# Altium PCB PROC054D_MMWCAS_RF_EVM_ASCII.PcbDoc (part 13 of 13)
Units mil, origin at the board's own origin, x right, y up, seen from the top; angles counter-clockwise.
Board outline 6299.21 x 5370.07 mil, 8 copper layers (L1 TOP, L2 GND, L3 SIGNAL 1, L4 GND, L5 SIGNAL 2, L6 SIGNAL 3, L7 GND, L8 BOTTOM), stack 53.5 mil thick; 775 components, 552 nets, 2648 pads, 7845 vias.
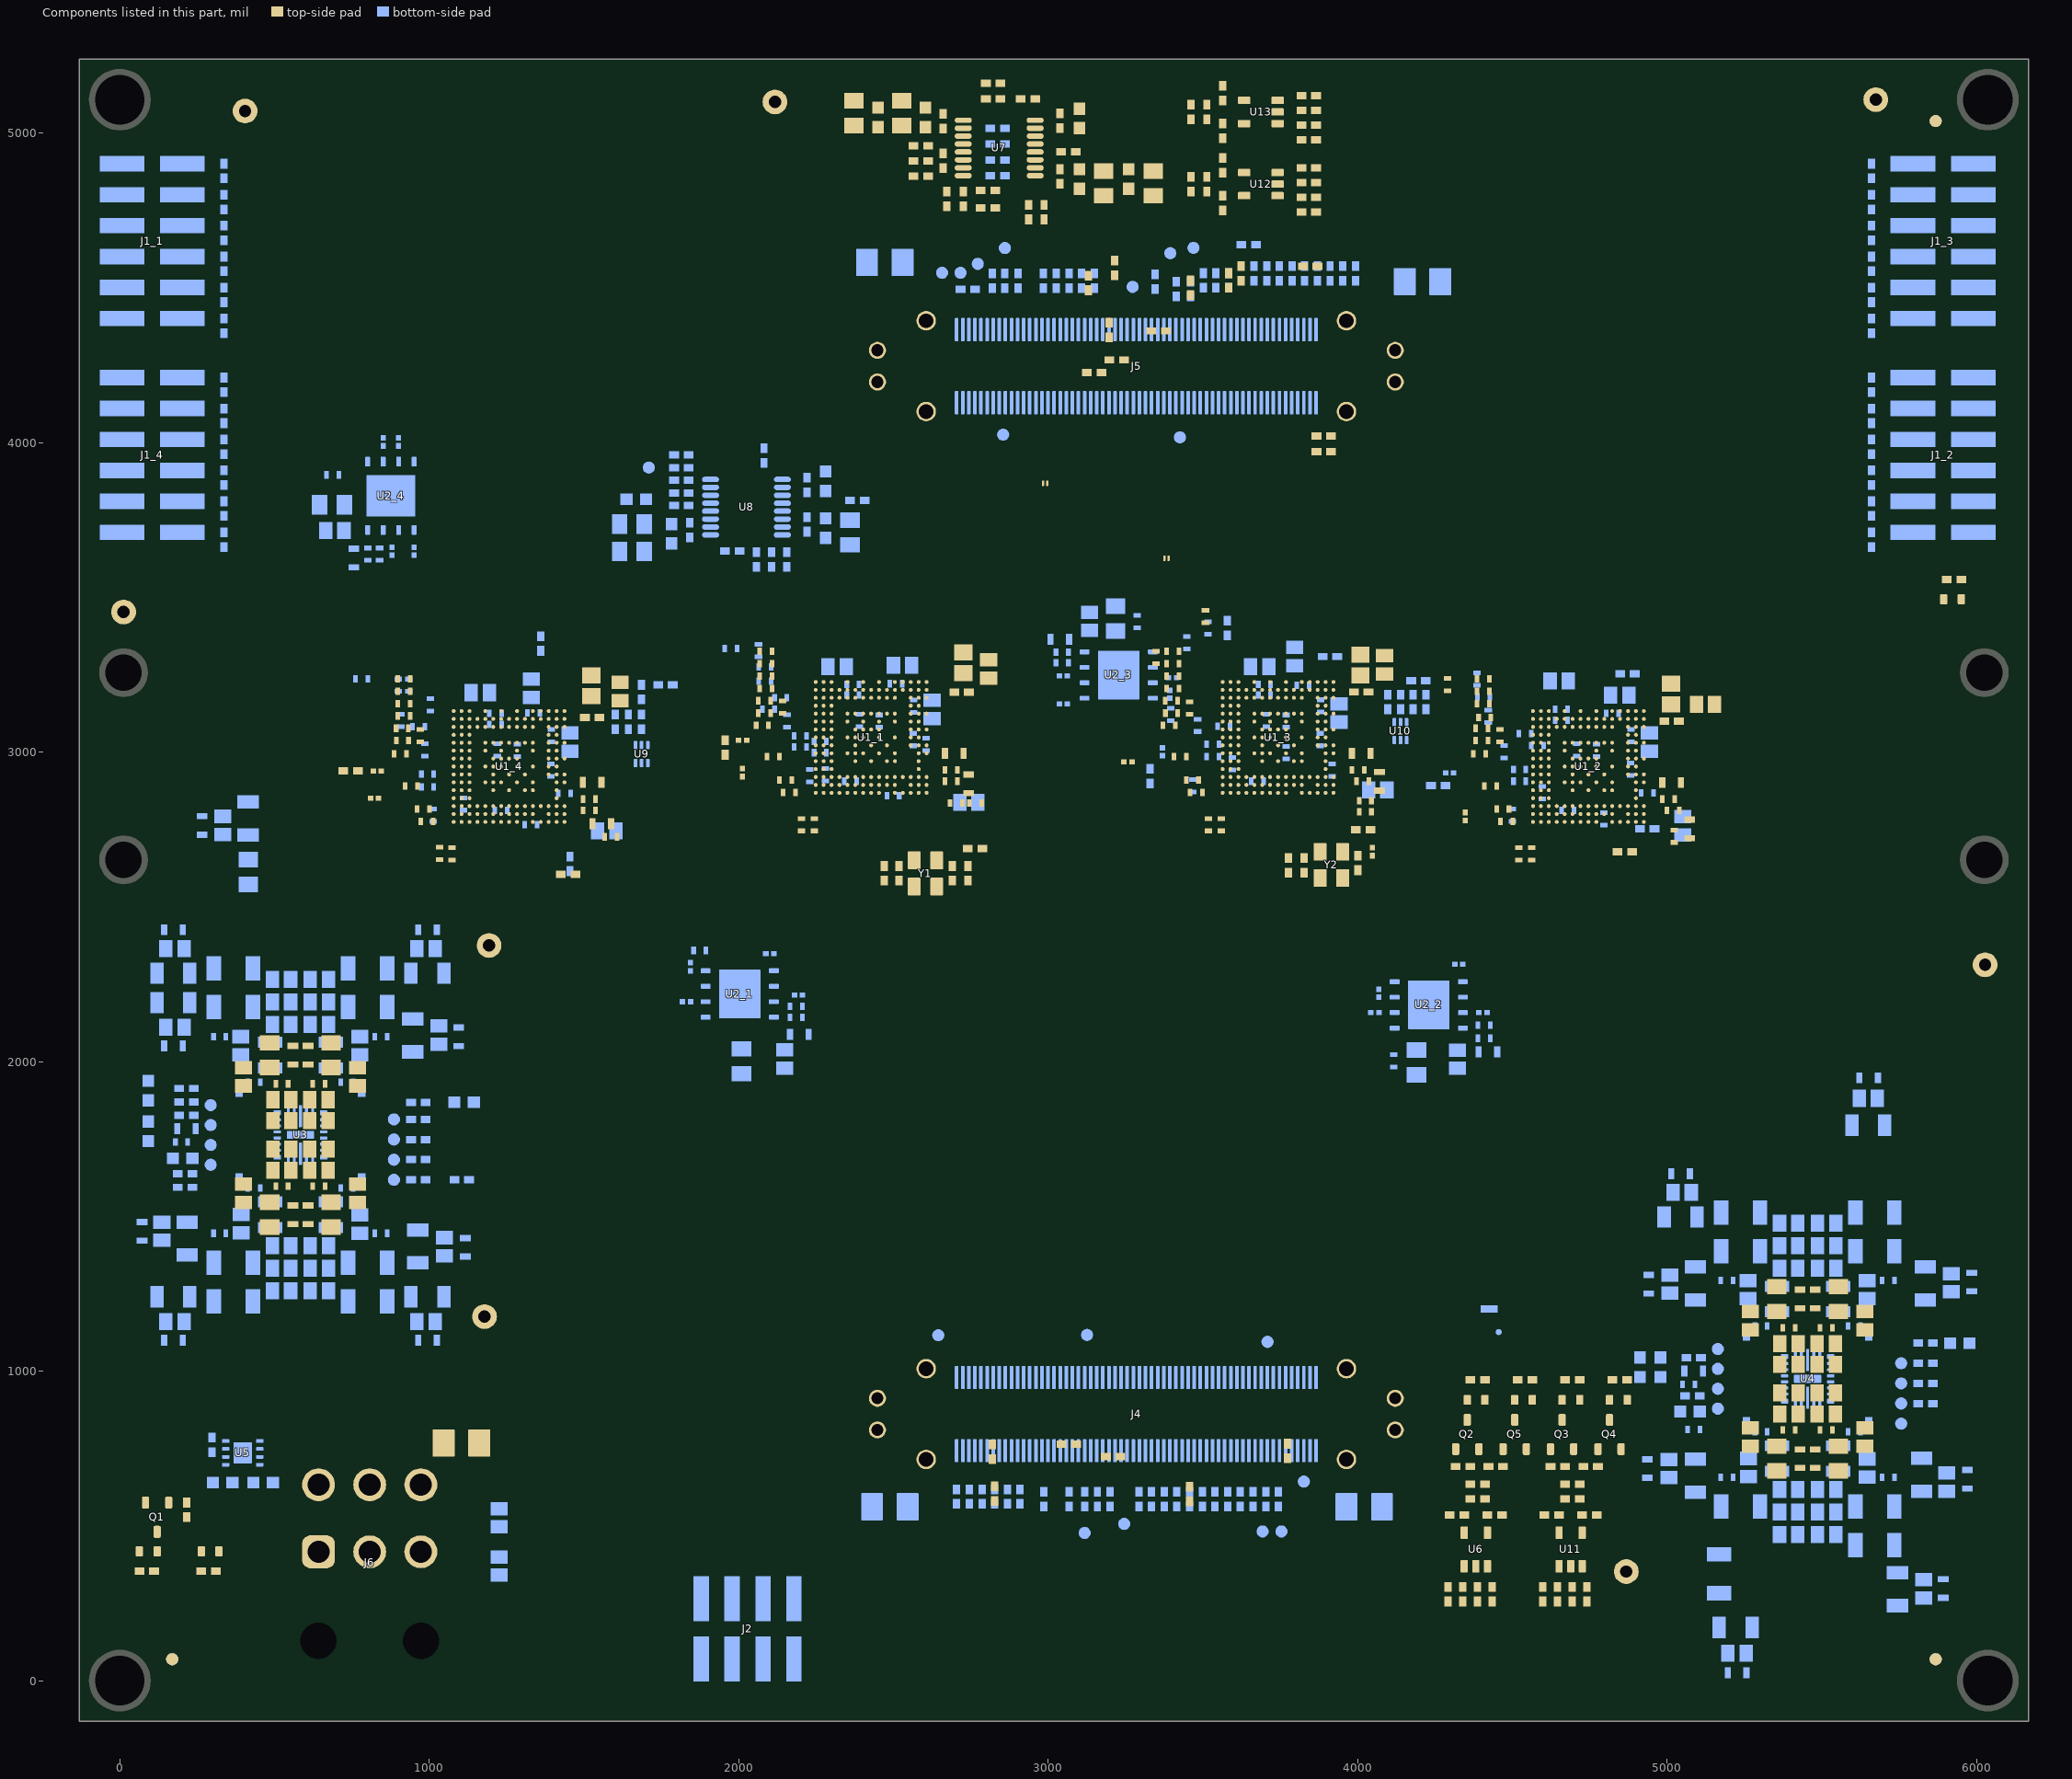
[diagram p19: the components of this part, seen from the top]

## Silkscreen, mask and mechanical layers (free items; w line width, h text height) (continued)
M10 Fab Notes:
  drawing of 216 lines, arcs and shapes, not listed
  text "NOTES: UNLESS OTHERWISE SPECIFIED." at 7740.21,11288.74 h100
  text "1. ALL VIAS ARE TENTED ON BOTH SIDES UNLESS SOLDERMASK OPENED IN GERBER." at 7734.62,10999.71 h100
  text "2. THE SOLDER MASK IMAGES THAT ARE THE SAME SIZE AS THE COMPONENT PADS MAY BE ENLARGED AS" at 7737.72,10701.92 h100
  text "PER THE MANUFACTURING CAPABILITIES BUT NOT BEYOND 0.08MM PER SIDE OR 0.15MM OVERALL." at 7933.15,10394.82 h100
  text "ALL OTHER SOLDER MASK IMAGES SHALL NOT BE MODIFIED." at 7939.35,10115.63 h100
  text "3. TRACE WIDTH SHOULD BE ACCURATELY ETCHED. MAX TOLERANCE +/- 1 MIL" at 7741.09,9826.69 h100
  text "FOR ETCHING ACCURACY NEAR THE ANTENNA REFER \"ANTENNA_ETCHING_REQUIREMENTS\" DOCUMENT" at 7956.31,9585.54 h100
  text "4. 5.9MIL VIA ONLY ON PAD SHOULD BE FILLED WITH CONDUCTIVE COPPER AND SURFACE SHOULD BE FLAT." at 7742.69,9332.2 h100
  text "FLATNESS TOLERANCE FOR VIA ON PADS: +0.000 /- 0.001 INCHES ON TOP SIDE." at 7937.26,9042.52 h100
  text "5. BACKDRILLING  INFO: 12 MIL DRILL AND 24 MIL PAD NEED TO BE REMOVED FROM THE BOTTOM TO LAYER 4" at 7742.15,8723.15 h100
  text "USE 24MIL DRILL BIT FOR BACKDRILLING ABOVE MENTIONED DRILLS. VENDOR MUST CUT L4 AND MUST NOT CUT L3." at 7938.64,8492.11 h100
  text "6. PRINTED WIRING BOARD SHALL COMPLY WITH REQUIREMENTS OF ANSI/J-STD-003." at 7728.63,8233.42 h100
  text "7. BOW AND TWIST SHALL NOT EXCEED 0.7% OF LONGEST SIDE" at 7726.51,7988.21 h100
  text "8. R136/R140 REQUIRE SPECIAL ASSEMBLY ATTENTION DUE TO THEIR NO SOLDER-MASK, RF CONSTRUCTION." at 7725.01,7727.29 h100
  text "9. FOR ANY ASSEMBLY OR FABRICATION QUESTIONS PLEASE CONTACT THE RESPONSIBLE TI PCB DESIGN TEAM." at 7725.01,7526.46 h100
  text "IMPEDANCE TABLE" at 10341.65,6835.82 h100
  text "TRACE WIDTH" at 9801.45,6563.02 h80
  text "TRACE SPACING" at 10767.83,6563.1 h80
  text "IMPEDANCE" at 12107.94,6482.51 h80
  text "LAYER" at 9267.28,6467.85 h80
  text "(mil)" at 10040.49,6408.69 h80
  text "(mil)" at 11101.67,6409.34 h80
  text "DESIGN INFORMATION" at 17057.02,6234.17 h60
  text "-" at 11206.64,6200.31 h80
  text "10.5" at 10075.03,6192.7 h80
  text "50 OHM +/-10%" at 11902.68,6192.18 h80
  text "1" at 9424.7,6191.41 h80
  text "MIN. TRACK WIDTH:" at 16412.46,6102.05 h60
  text "4" at 17508.7,6102.05 h60
  text "MIL" at 17663.46,6102.05 h60
  text "5.5" at 11145.7,6035.7 h80
  text "6.5" at 10117.7,6028.58 h80
  text "1" at 9424.7,6026.25 h80
  text "100 OHM +/-10%" at 11874.69,6025.56 h80
  text "4" at 17507.39,5986.31 h60
  text "MIN. CLEARANCE:" at 16412.46,5977.92 h60
  text "MIL" at 17663.46,5977.92 h60
  text "-" at 11207.12,5870 h80
  text "5.1" at 10128.22,5861.56 h80
  text "50 OHM +/-10%" at 11903.16,5861.87 h80
  text "3" at 9424.7,5861.2 h80
  text "13.77" at 17373.96,5859.24 h60
  text "MIN. VIA PAD SIZE:" at 16412.46,5853.8 h60
  text "MIL" at 17663.46,5853.8 h60
  text "0.05mm (2MIL)" at 17107.46,5723.9 h60
  text "MINIMUM ANNULAR RING" at 16083.23,5715.67 h60
  text "EXTERNAL" at 17815.46,5715.67 h60
  text "-" at 11207.36,5704.84 h80
  text "12" at 10157.06,5697.26 h80
  text "50 OHM +/-10%" at 11903.4,5696.72 h80
  text "5" at 9424.7,5695.94 h80
  text "PER" at 16283.23,5605.55 h60
  text "IPC-D-275 CLASS 2 LEVEL C" at 16503.23,5605.54 h60
  text "-" at 11207.6,5539.69 h80
  text "6.9" at 10115.34,5536.24 h80
  text "50 OHM +/-10%" at 11903.64,5531.56 h80
  text "6" at 9424.7,5530.79 h80
  text "MIL, HOLES" at 17991.46,5505.07 h60
  text "+/-" at 17599,5496.48 h60
  text "+/-" at 18453,5496.48 h60
  text "REGISTRATION TOLERANCES:" at 16083.23,5495.42 h60
  text "METAL" at 17283,5495.42 h60
  text "2" at 17859.2,5495.42 h60
  text "3" at 18692.2,5495.42 h60
  text "MIL" at 18808.46,5495.42 h60
  text "HOLE SIZE TOLERANCE (UNLESS OTHERWISE SPECIFIED):" at 16083.23,5397.1 h60
  text "+/-" at 18453,5394.23 h60
  text "3" at 18692.2,5393.17 h60
  text "MIL" at 18808.46,5393.17 h60
  text "5" at 10173.32,5372.82 h80
  text "7" at 11206.57,5372.82 h80
  text "6" at 9424.7,5365.63 h80
  text "100 OHM +/-10%" at 11875.65,5364.94 h80
  text "MATERIAL:" at 16008.46,5255.52 h60
  text "-" at 11208.08,5209.37 h80
  text "7.75" at 10076.47,5201.76 h80
  text "50 OHM +/-10%" at 11904.12,5201.25 h80
  text "8" at 9424.7,5200.47 h80
  text "FR-4 High Tg" at 16994.9,5127 h60
  text "REFER STACKUP" at 18248.68,5125 h60
  text "X" at 17740.09,5121.5 h60
  text "FR-408" at 16429.46,5114.49 h60
  text "OTHER" at 17917.46,5114.49 h60
  text "6.75" at 11104.41,5039.74 h80
  text "8" at 9424.7,5035.32 h80
  text "100 OHM +/-10%" at 11876.13,5034.63 h80
  text "5.25" at 10072.43,5027.88 h80
  text "55MIL +/-10%" at 18338.77,4972.52 h60
  text "62 MIL (1.6mm) +/-10%" at 16749.56,4971.46 h60
  text "X" at 17922.86,4964.87 h60
  text "THICKNESS:" at 16083.23,4963.24 h60
  text "OTHER" at 18034.46,4963.24 h60
  text "TOLERANCE:" at 16083.23,4824.92 h60
  text "X" at 16931.46,4824.92 h60
  text "ANSI IPC-6012 TYPE 3 CLASS 2" at 17109.48,4824.92 h60
  text "OTHER +/-" at 17109.46,4680.73 h60
  text "BOW & TWIST:" at 16083.23,4535.54 h60
  text "ANSI IPC-6012 TYPE 3 CLASS 2" at 17109.48,4535.54 h60
  text "REFER NOTE 7" at 17696.51,4404.32 h60
  text "X" at 16932.7,4389.66 h60
  text "OTHER +/-" at 17109.46,4388.85 h60
  text "DRILLING:" at 16008.46,4258.23 h60
  text "NC_DRILL FILES" at 17769.46,4153.04 h60
  text "REFERENCE:" at 16083.23,4149.1 h60
  text "X" at 16740.46,4149.01 h60
  text "AS SHOWN" at 16918.46,4149.1 h60
  text "X" at 17641.46,4149.1 h60
  text "OTHER" at 18067.46,4006.85 h60
  text "PTH COPPER THICKNESS:" at 16082.91,4003.32 h60
  text "X" at 17222.14,4003.32 h60
  text "20-30 um" at 17350.14,4003.32 h60
  text "BOARD FINISH:" at 16008.46,3855.73 h60
  text "SILKSCREEN:" at 16163.68,3745.6 h60
  text "X" at 17121.46,3745.6 h60
  text "TOP" at 17238.46,3745.6 h60
  text "X" at 17631.46,3745.6 h60
  text "BOTTOM" at 17749.46,3745.6 h60
  text "SILKSCREEN COLOR:" at 16163.68,3590.41 h60
  text "X" at 17120.46,3590.41 h60
  text "WHITE" at 17238.46,3590.41 h60
  text "OTHER" at 17749.46,3590.41 h60
  text "X" at 17844.81,3454.25 h60
  text "RED" at 18395.4,3452.96 h60
  text "GREEN" at 17369.46,3446.96 h60
  text "OTHER" at 17987.46,3446.96 h60
  text "SOLDER RESIST COLOR:" at 16163.68,3440.1 h60
  text "X" at 17251.46,3292.71 h60
  text "MATTE" at 17369.46,3292.71 h60
  text "SEMI-GLOSS" at 17987,3292.07 h60
  text "IMMERSION GOLD (ENIG)" at 17069.46,3119.94 h60
  text "ENEPIG" at 18407,3112.72 h60
  text "SURFACE FINISH:" at 16008.46,3111.72 h60
  text "X" at 16183.74,2975.11 h60
  text "IMM. TIN/SILVER OR EQUIV" at 16338,2974.4 h60
  text "OTHER" at 17769.46,2970.47 h60
  text "ARRAY/PANEL:" at 16008.46,2815.09 h60
  text "CUT AND TRIM PER M1 BOARD OUTLINE" at 17069.46,2806.87 h60
  text "N.C. ROUTE" at 17069.46,2670.9 h60
  text "V. SCORE" at 17935.46,2670.9 h60
  text "CERTIFICATION:" at 16008.46,2541.77 h60
  text "MATERIALS AND WORKMANSHIP FOR ALL PCBS" at 16733.46,2541.77 h60
  text "TO MEET OR EXCEED THE REQUIREMENTS OF:" at 16733.46,2447.71 h60
  text "X" at 16370.97,2319.08 h60
  text "ANSI IPC-A-600F CLASS ->" at 16498.96,2319.08 h60
  text "X" at 18146.97,2319.08 h60
  text "2" at 18256.96,2319.08 h60
  text "1" at 17941.96,2317.58 h60
  text "3" at 18610.96,2317.58 h60
  text "X" at 17182.97,2171.39 h60
  text "RoHS" at 17310.96,2171.39 h60
  text "OTHER" at 17955.36,2171.39 h60
  text "PER ORDER" at 18352.42,2171.39 h60
  text "ALL BOARDS MUST MEET OR EXCEED UL94-V0 REQUIREMENTS." at 16036,2017.57 h60
  text "PCB MUST BEAR THE UL94V-0 UL REGISTERED MATERIAL ID NUMBER" at 16036,1901.5 h60
  text "ADDITIONAL REQUIREMENTS:" at 16008.46,1732.08 h60
  text "MICROSECTION:" at 16083.23,1624.95 h60
  text "YES" at 16988.96,1624.95 h60
  text "REQUIRED" at 17850.46,1480.62 h60
  text "BARE BOARD ELEC. TEST:" at 16083.23,1477.76 h60
  text "NONE" at 17388.96,1477.76 h60
  text "X" at 17732.46,1477.76 h60
  text "PER ORDER" at 18442.46,1477.76 h60
  text "XX MIL VIAS REQUIRE NON-CONDUCTIVE FILL AND PLANARIZE" at 16251.38,1272.82 h59
  text "XX MIL VIAS REQUIRE CONDUCTIVE FILL AND PLANARIZE" at 16259.38,1168.84 h60
  text "OUTER XX MIL TRACES REQUIRE 50 OHM SINGLE-ENDED IMPEDANCE" at 16258.39,1005.46 h56
  text "LAYER 2 & 3 (INNER LAYERS) XX MIL WIDE, XX MIL SPACE / TRACES REQUIRE 100 OHM DIFFERENTIAL IMPEDANCE" at 16250.39,769.74 h60
  text ".Layer_Name" at 445.07,-990.08 h60
M11 Gerber Information:
  lines w10: -423,-1061.17 6177,-1061.17 ; -423,-857.83 6179,-857.83 ; -423,-654.5 -423,-1264.5 3582,-1264.5 6179,-1264.5 6179,-654.5 -422.5,-654.5 -422.5,-1264.5 1153,-1264.5 ; 2042,-1264.5 2042,-654.5 ; 3309,-857.83 3309,-654.5 ; 4149,-857.83 4149,-654.5 ; 4771,-1271 4771,-1068.17
  text "ALL ARTWORK VIEWED FROM TOP SIDE" at -359.5,-786.67 h60
  text "BOARD #:" at 2117,-786.67 h60
  text ".PRJ_Number" at 2662.5,-786.67 h60
  text "REV:" at 3507,-786.67 h60
  text ".PCB_Rev" at 3798.5,-786.67 h60
  text "SVN REV:" at 4345,-786.67 h60
  text ".VersionControl_RevNumber" at 4851,-786.67 h60
  text "LAYER NAME =" at -359.5,-989.49 h60
  text "GENERATED    :" at 2119,-1195.34 h60
  text ".Print_Date" at 2988.5,-1195.34 h60
  text ".Print_Time" at 3717.5,-1195.34 h60
  text "TEXAS INSTRUMENTS" at 4982,-1195.34 h60
M12 Stackup:
  drawing of 509 lines, arcs and shapes, not listed
  text "STACKUP TABLE:" at 1737.57,11222.67 h100
  text "Layer" at 1767.62,11000.5 h60
  text "Name" at 2177.53,11000.5 h60
  text "Material" at 3107.27,11000.5 h60
  text "Thickness" at 3967.04,11000.5 h60
  text "Constant" at 4616.88,11000.5 h60
  text "Board Layer Stack" at 5186.74,11000.5 h60
  text "Top Overlay" at 2177.53,10880.5 h60
  text "Top Solder" at 2177.53,10760.5 h60
  text "Solder Resist" at 3107.27,10760.5 h60
  text "0.80mil" at 3967.04,10760.5 h60
  text "3.5" at 4616.88,10760.5 h60
  text "[L1-L8]" at 1455.7,10709.15 h50 r90
  text "[L1-L2]" at 1643.91,10709.41 h50 r90
  text "1" at 1767.62,10640.5 h60
  text "L1 TOP" at 2177.53,10640.5 h60
  text "Copper" at 3107.27,10640.5 h60
  text "1.60mil" at 3967.04,10640.5 h60
  text "Dielectric 1" at 2177.53,10520.5 h60
  text "RO3003" at 3107.27,10520.5 h60
  text "5.00mil" at 3967.04,10520.5 h60
  text "3" at 4616.88,10520.5 h60
  text "2" at 1767.62,10400.5 h60
  text "L2 GND" at 2177.53,10400.5 h60
  text "Copper" at 3107.27,10400.5 h60
  text "0.80mil" at 3967.04,10400.5 h60
  text "Dielectric2" at 2177.53,10280.5 h60
  text "RO4450F" at 3107.27,10280.5 h60
  text "5.00mil" at 3967.04,10280.5 h60
  text "4.2" at 4616.88,10280.5 h60
  text "3" at 1767.62,10160.5 h60
  text "L3 SIGNAL 1" at 2177.53,10160.5 h60
  text "Copper" at 3107.27,10160.5 h60
  text "0.60mil" at 3967.04,10160.5 h60
  text "Dielectric3" at 2177.53,10040.5 h60
  text "RO4835 LOPRO" at 3107.27,10040.5 h60
  text "10.70mil" at 3967.04,10040.5 h60
  text "3.66" at 4616.88,10040.5 h60
  text "4" at 1767.62,9920.5 h60
  text "L4 GND" at 2177.53,9920.5 h60
  text "Copper" at 3107.27,9920.5 h60
  text "0.60mil" at 3967.04,9920.5 h60
  text "Dielectric4" at 2177.53,9800.5 h60
  text "370HR" at 3107.27,9800.5 h60
  text "5.00mil" at 3967.04,9800.5 h60
  text "4.2" at 4616.88,9800.5 h60
  text "5" at 1767.62,9680.5 h60
  text "L5 SIGNAL 2" at 2177.53,9680.5 h60
  text "Copper" at 3107.27,9680.5 h60
  text "1.20mil" at 3967.04,9680.5 h60
  text "Dielectric5" at 2177.53,9560.5 h60
  text "370HR" at 3107.27,9560.5 h60
  text "10.00mil" at 3967.04,9560.5 h60
  text "4.34" at 4616.88,9560.5 h60
  text "6" at 1767.62,9440.5 h60
  text "L6 SIGNAL 3" at 2177.53,9440.5 h60
  text "Copper" at 3107.27,9440.5 h60
  text "0.60mil" at 3967.04,9440.5 h60
  text "Dielectric6" at 2177.53,9320.5 h60
  text "370HR" at 3107.27,9320.5 h60
  text "5.00mil" at 3967.04,9320.5 h60
  text "4.2" at 4616.88,9320.5 h60
  text "7" at 1767.62,9200.5 h60
  text "L7 GND" at 2177.53,9200.5 h60
  text "Copper" at 3107.27,9200.5 h60
  text "0.80mil" at 3967.04,9200.5 h60
  text "Dielectric7" at 2177.53,9080.5 h60
  text "370HR" at 3107.27,9080.5 h60
  text "5.00mil" at 3967.04,9080.5 h60
  text "4.34" at 4616.88,9080.5 h60
  text "8" at 1767.62,8960.5 h60
  text "L8 BOTTOM" at 2177.53,8960.5 h60
  text "Copper" at 3107.27,8960.5 h60
  text "1.60mil" at 3967.04,8960.5 h60
  text "Bottom Solder" at 2177.53,8840.5 h60
  text "Solder Resist" at 3107.27,8840.5 h60
  text "0.80mil" at 3967.04,8840.5 h60
  text "3.5" at 4616.88,8840.5 h60
  text "Bottom Overlay" at 2177.53,8720.5 h60
  text "THIS IS AN IMPEDANCE CONTROLLED BOARD" at 2805.48,8474.5 h70
  text "NOTE:" at 1736.06,8322.35 h70
  text "1. EXTERNAL LAYER CU THICKNESS ARE FINISHED THICKNESS AFTER PLATING." at 1733.81,8177 h70
  text ".Layer_Name" at 445.07,-990.08 h60
M13 Component Bodies Top:
  text ".Layer_Name" at 446,-989.49 h60
M14 Component Bodies Bottom:
  text ".Layer_Name" at 446,-989.49 h60
M15 Courtyards Top:
  text ".Layer_Name" at 446,-989.49 h60
M16 Courtyards Bottom:
  text ".Layer_Name" at 446,-989.49 h60
Drill Drawing:
  lines w15: 7859.1,2506.49 13341.59,2506.49 ; 7859.1,4156.49 13341.59,4156.49 ; 7864.07,1130.87 13226.59,1130.87 ; 7864.07,1280.87 13226.59,1280.87 ; 8409.98,2356.49 8409.98,4306.49 ; 8414.95,980.87 8414.95,1430.87 ; 9069.8,2356.49 9069.8,4306.49 ; 9074.77,980.87 9074.77,1430.87 ; 10104.47,980.87 10104.47,1430.87 ; 10219.46,2356.49 10219.46,4306.49 ; 11294.12,980.87 11294.12,1430.87 ; 11409.12,2356.49 11409.12,4306.49 ; 11800,980.87 11800,1430.87 ; 11914.99,2356.49 11914.99,4306.49 ; 7859.1,2356.49 13341.59,2356.49 13341.59,4306.49 7859.1,4306.49 7859.1,2356.49 ; 7864.07,980.87 13226.59,980.87 13226.59,1430.87 7864.07,1430.87 7864.07,980.87
  text "Symbol" at 7949.1,4201.49 h72
  text "Count" at 8454.98,4201.49 h72
  text "Hole Size" at 9114.8,4201.49 h72
  text "Drill Layer Pair" at 10264.46,4201.49 h72
  text "Plated" at 11454.12,4201.49 h72
  text "Hole Tolerance(mil)" at 11959.99,4201.49 h72
  text "60" at 8454.98,4051.49 h60
  text "7.87mil (0.200mm)" at 9114.8,4051.49 h60
  text "L1 TOP - L8 BOTTOM" at 10264.46,4051.49 h60
  text "PTH" at 11454.12,4051.49 h60
  text "+0/-7.87" at 11959.99,4051.49 h60
  text "L" at 7920.01,4041.5 h66.67
  text "727" at 8454.98,3901.49 h60
  text "8.00mil (0.203mm)" at 9114.8,3901.49 h60
  text "L1 TOP - L8 BOTTOM" at 10264.46,3901.49 h60
  text "PTH" at 11454.12,3901.49 h60
  text "+0/-8" at 11959.99,3901.49 h60
  text "B" at 7920.01,3891.5 h66.67
  text "13" at 8454.98,3751.49 h60
  text "12.00mil (0.305mm)" at 9114.8,3751.49 h60
  text "L1 TOP - L8 BOTTOM" at 10264.46,3751.49 h60
  text "PTH" at 11454.12,3751.49 h60
  text "+0/-12" at 11959.99,3751.49 h60
  text "C" at 7920.01,3741.5 h66.67
  text "1522" at 8454.98,3601.49 h60
  text "12.20mil (0.310mm)" at 9114.8,3601.49 h60
  text "L1 TOP - L8 BOTTOM" at 10264.46,3601.49 h60
  text "PTH" at 11454.12,3601.49 h60
  text "+0/-12.2" at 11959.99,3601.49 h60
  text "D" at 7920.01,3591.5 h66.67
  text "8" at 8454.98,3451.49 h60
  text "39.37mil (1.000mm)" at 9114.8,3451.49 h60
  text "L1 TOP - L8 BOTTOM" at 10264.46,3451.49 h60
  text "PTH" at 11454.12,3451.49 h60
  text "+4/-0" at 11959.99,3451.49 h60
  text "E" at 7920.01,3441.5 h66.67
  text "8" at 8454.98,3301.49 h60
  text "40.00mil (1.016mm)" at 9114.8,3301.49 h60
  text "L1 TOP - L8 BOTTOM" at 10264.46,3301.49 h60
  text "PTH" at 11454.12,3301.49 h60
  text "+/-3" at 11959.99,3301.49 h60
  text "F" at 7920.01,3291.5 h66.67
  text "8" at 8454.98,3151.49 h60
  text "47.24mil (1.200mm)" at 9114.8,3151.49 h60
  text "L1 TOP - L8 BOTTOM" at 10264.46,3151.49 h60
  text "PTH" at 11454.12,3151.49 h60
  text "+4/-0" at 11959.99,3151.49 h60
  text "G" at 7920.01,3141.5 h66.67
  text "6" at 8454.98,3001.49 h60
  text "70.87mil (1.800mm)" at 9114.8,3001.49 h60
  text "L1 TOP - L8 BOTTOM" at 10264.46,3001.49 h60
  text "PTH" at 11454.12,3001.49 h60
  text "+/-2" at 11959.99,3001.49 h60
  text "H" at 7920.01,2991.5 h66.67
  text "2" at 8454.98,2851.49 h60
  text "118.11mil (3.000mm)" at 9114.8,2851.49 h60
  text "L1 TOP - L8 BOTTOM" at 10264.46,2851.49 h60
  text "NPTH" at 11454.12,2851.49 h60
  text "+/-2" at 11959.99,2851.49 h60
  text "I" at 7931.12,2841.5 h66.67
  text "4" at 8454.98,2701.49 h60
  text "118.11mil (3.000mm)" at 9114.8,2701.49 h60
  text "L1 TOP - L8 BOTTOM" at 10264.46,2701.49 h60
  text "PTH" at 11454.12,2701.49 h60
  text "+/-3" at 11959.99,2701.49 h60
  text "J" at 7920.01,2691.5 h66.67
  text "4" at 8454.98,2551.49 h60
  text "160.00mil (4.064mm)" at 9114.8,2551.49 h60
  text "L1 TOP - L8 BOTTOM" at 10264.46,2551.49 h60
  text "PTH" at 11454.12,2551.49 h60
  text "+/-3" at 11959.99,2551.49 h60
  text "K" at 7920.01,2541.5 h66.67
  text "2362 Total" at 8454.98,2401.49 h60
  text "Symbol" at 7954.07,1325.87 h72
  text "Count" at 8459.95,1325.87 h72
  text "Hole Size" at 9119.77,1325.87 h72
  text "Drill Layer Pair" at 10149.47,1325.87 h72
  text "Plated" at 11339.12,1325.87 h72
  text "Hole Tolerance(mil)" at 11845,1325.87 h72
  text "5523" at 8459.95,1175.87 h60
  text "5.90mil (0.150mm)" at 9119.77,1175.87 h60
  text "L1 TOP - L2 GND" at 10149.47,1175.87 h60
  text "PTH" at 11339.12,1175.87 h60
  text "+0/-5.9" at 11845,1175.87 h60
  text "A" at 7924.98,1165.88 h66.67
  text "5523 Total" at 8459.95,1025.87 h60
M17 Embedded Cavity:
  text ".Layer_Name" at 446,-989.49 h60
M18 Embedded Assembly:
  text ".Layer_Name" at 446,-989.49 h60
M19 Embedded Keepout:
  text ".Layer_Name" at 456,-979.49 h60
FAB1:
  lines w10: 7683.51,3722.81 7683.51,3828.33 7783.5,3828.33 7783.5,3722.81 7683.51,3722.81
  text "5" at 7713.99,3745.26 h60
  text "DRILL TABLE: (L1-L8)" at 7919.11,2131.89 h100
  text ".Layer_Name" at 456,-979.49 h60
  text "SHEET 1/2" at 18640.1,-1468.58 h70
FAB2:
  text "DRILL TABLE: (L1-L2)" at 7919.11,731.89 h100
  text ".Layer_Name" at 456,-979.49 h60
  text "SHEET 2/2" at 18640.1,-1468.58 h70

## Text inside footprints (layer, text, board x,y; h text height)
Logo3: Top Overlay "For evaluation only; not FCC approved for resale." at 46.08,3694.14 h60 r90